# Altium PCB BGA_faser_v2.PcbDoc (part 1 of 5)
Units mil, origin at the board's own origin, x right, y up, seen from the top; angles counter-clockwise.
Board outline 2637.8 x 3937.01 mil, 6 copper layers (Top Layer, GND1, Layer 3, PWR, GND2, Bottom Layer), stack 32.112 mil thick; 367 components, 429 nets, 2041 pads, 1008 vias.
Unrouted connection lines stored in the file: 107.
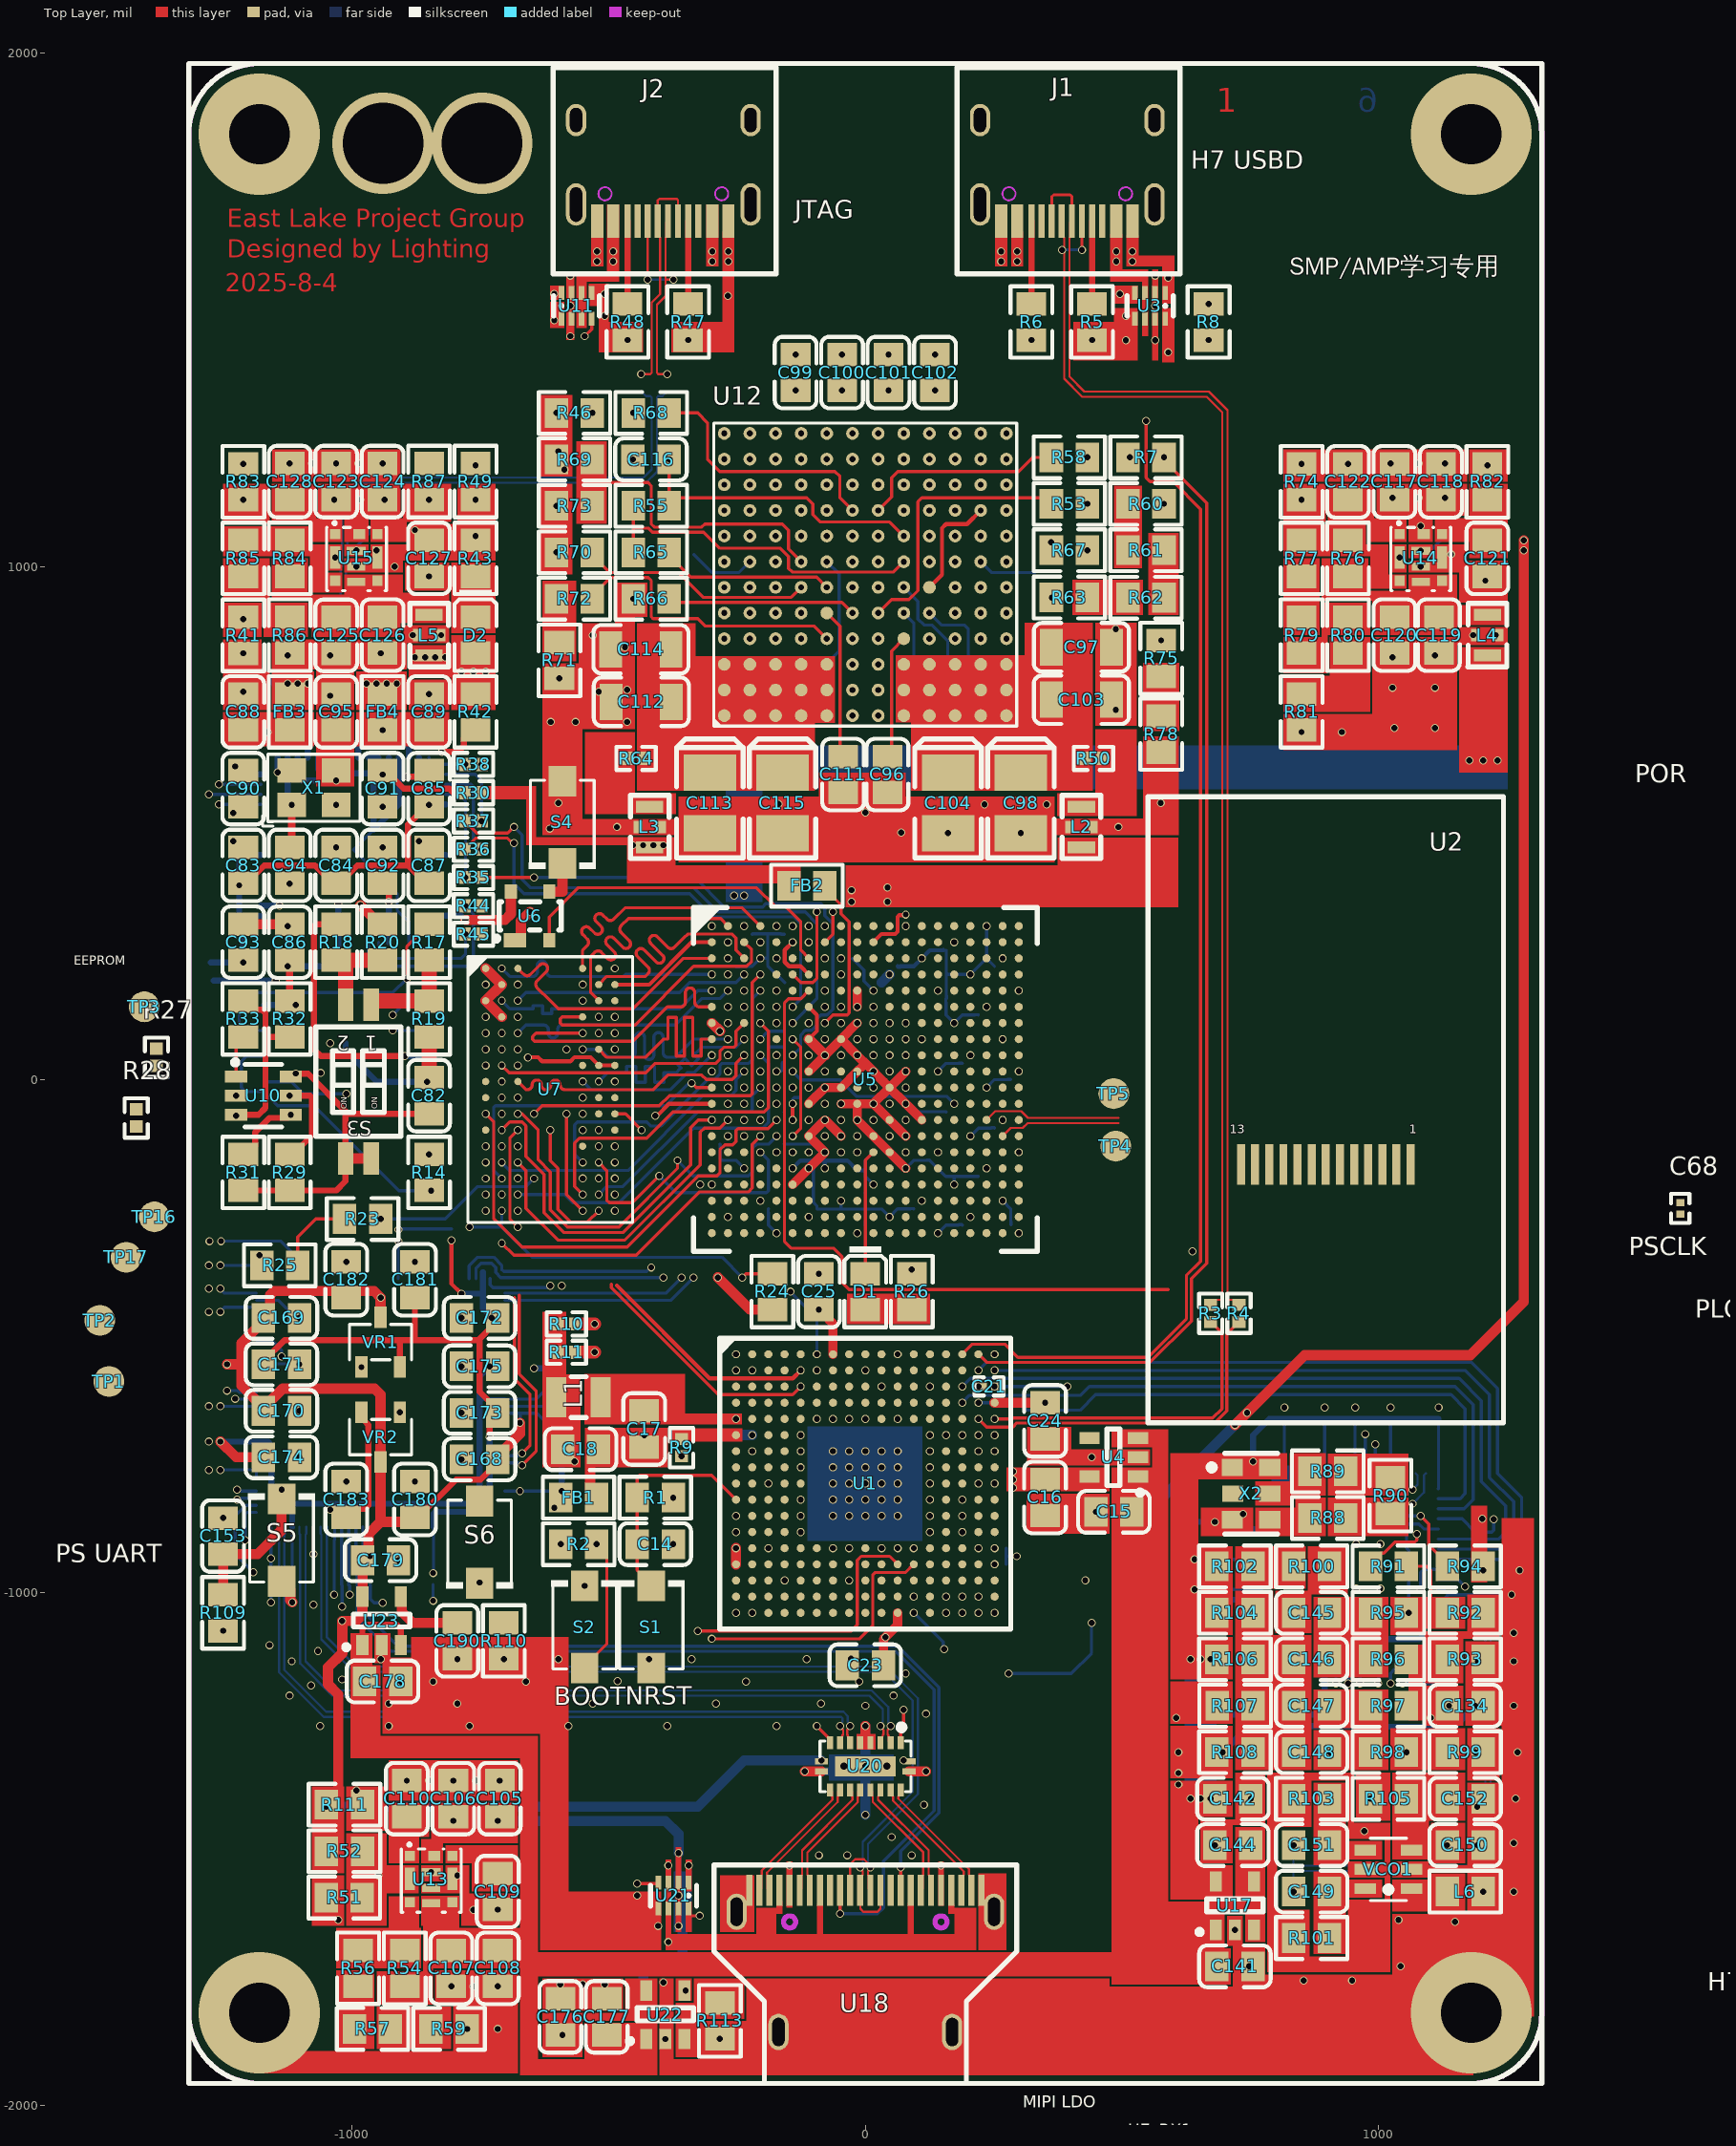
[diagram p0: Top Layer view]
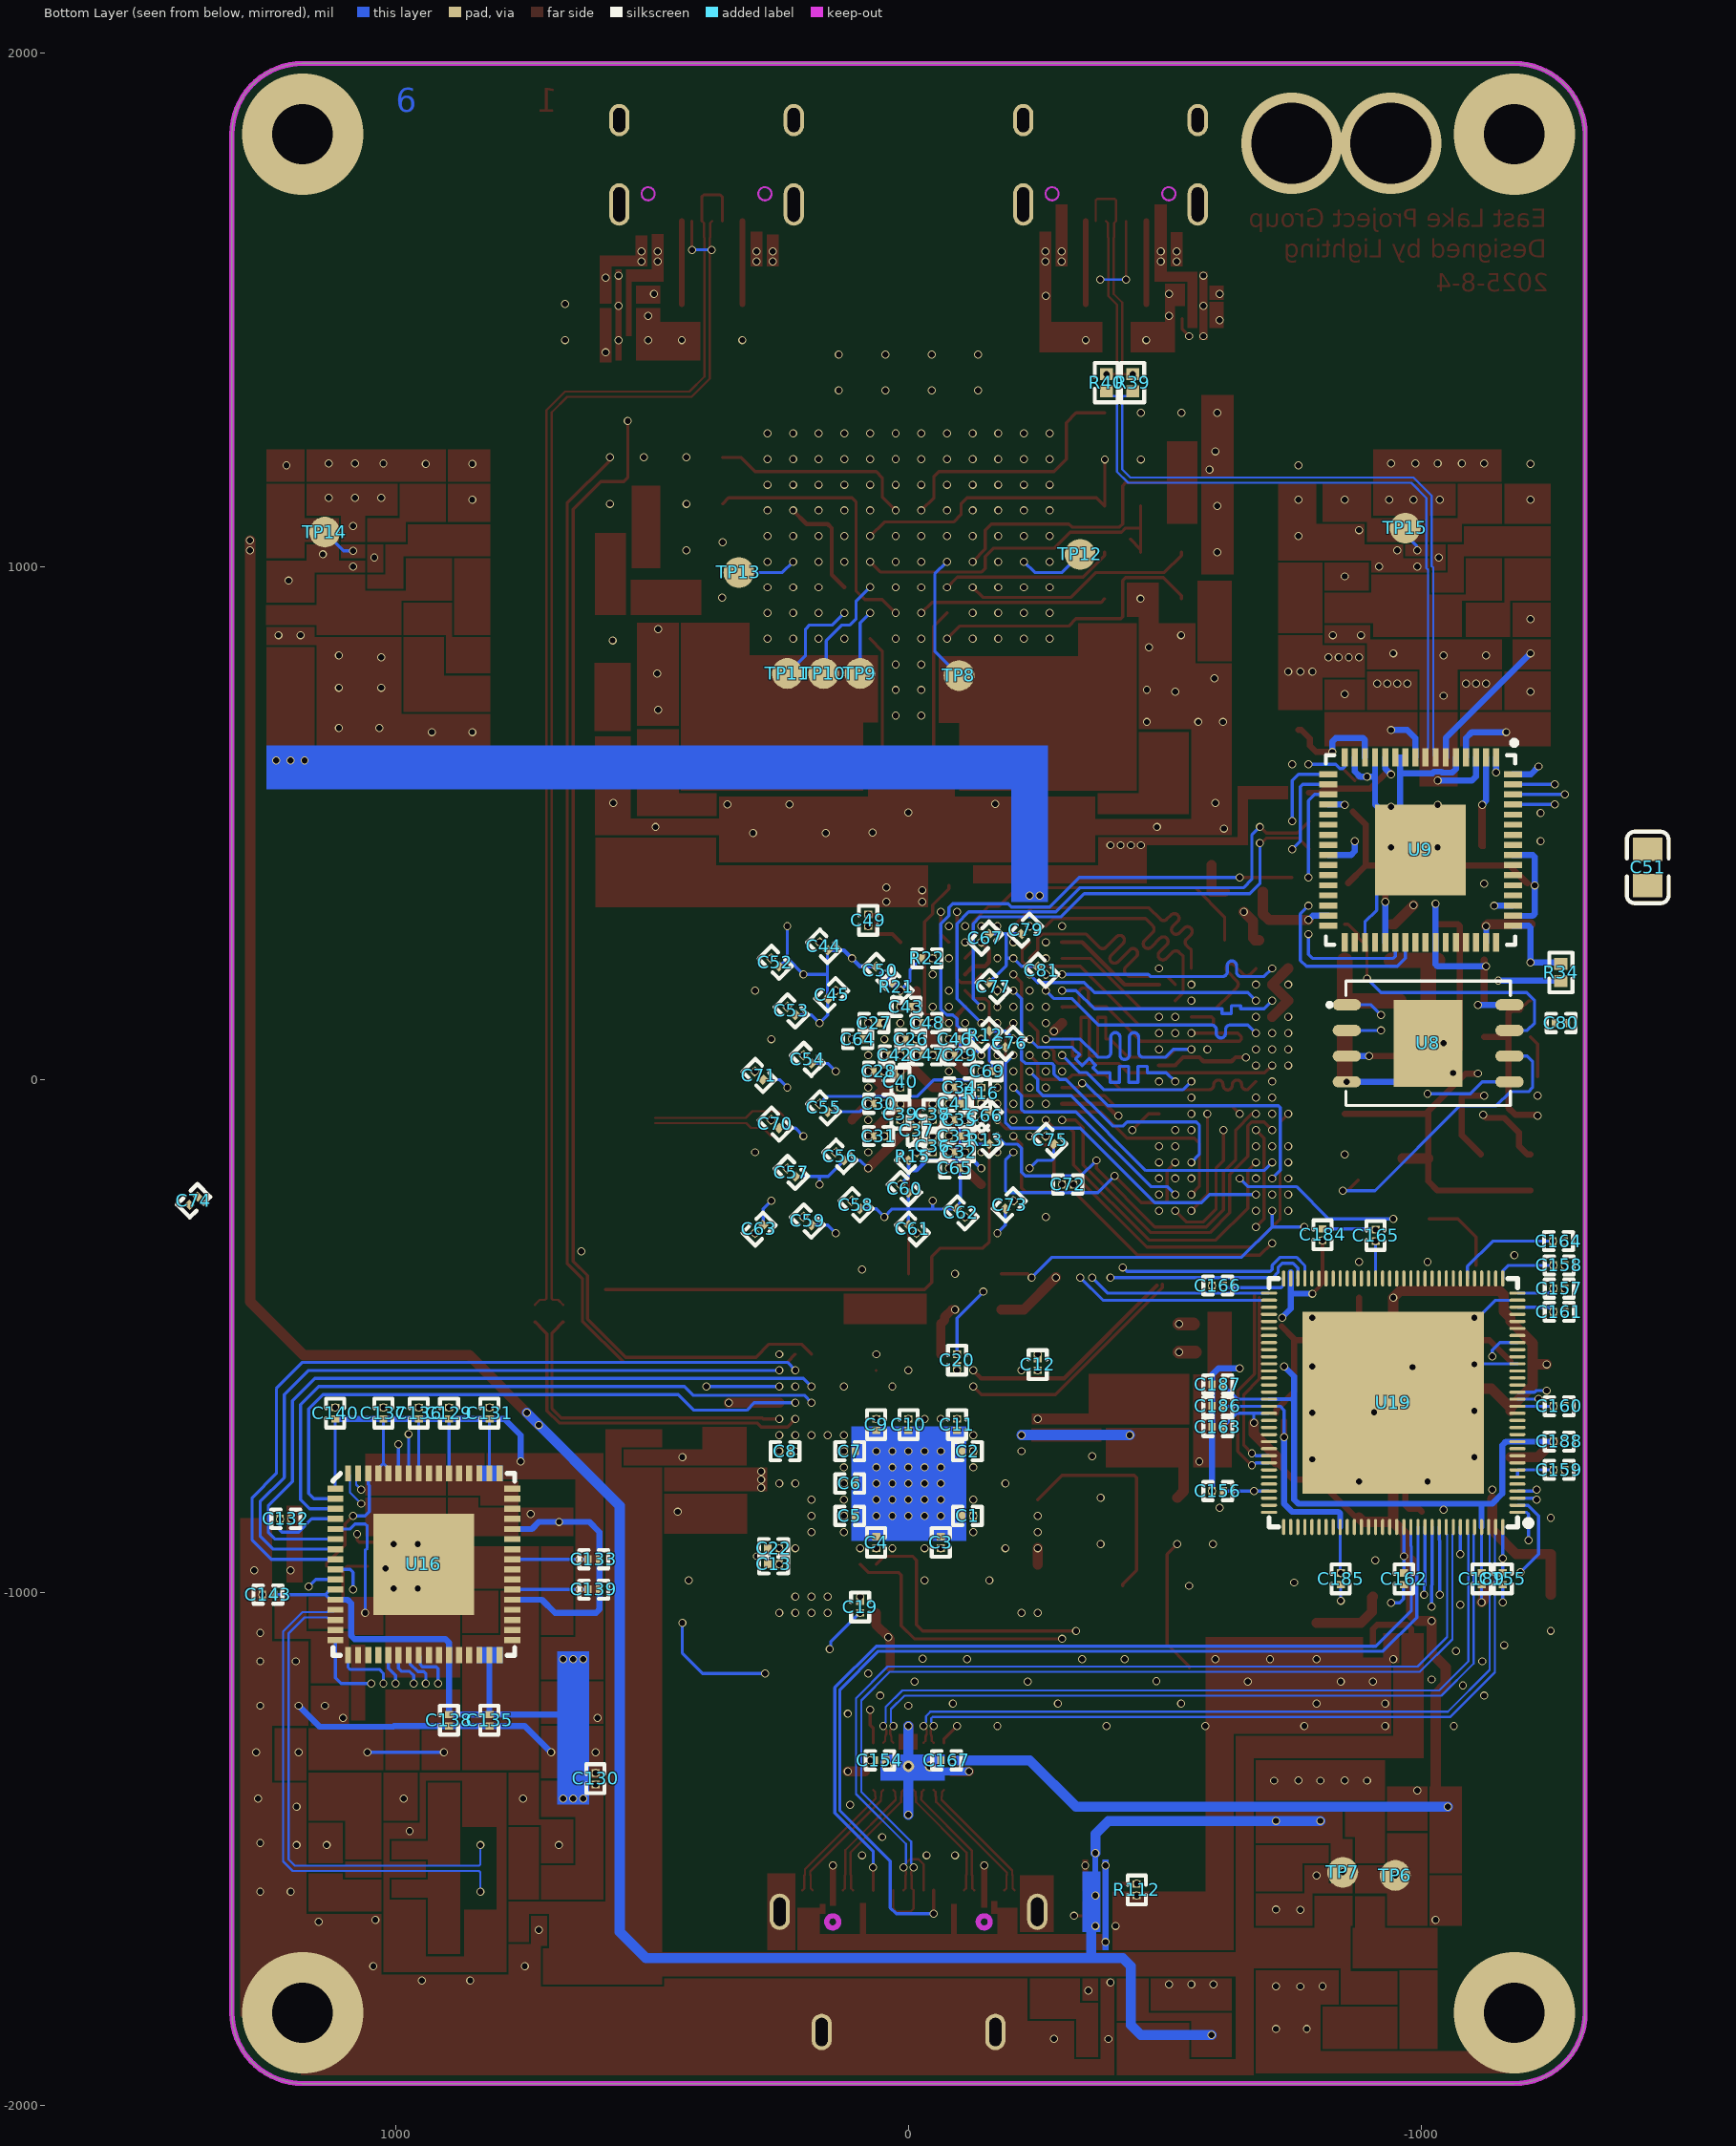
[diagram p1: Bottom Layer view, seen from below]
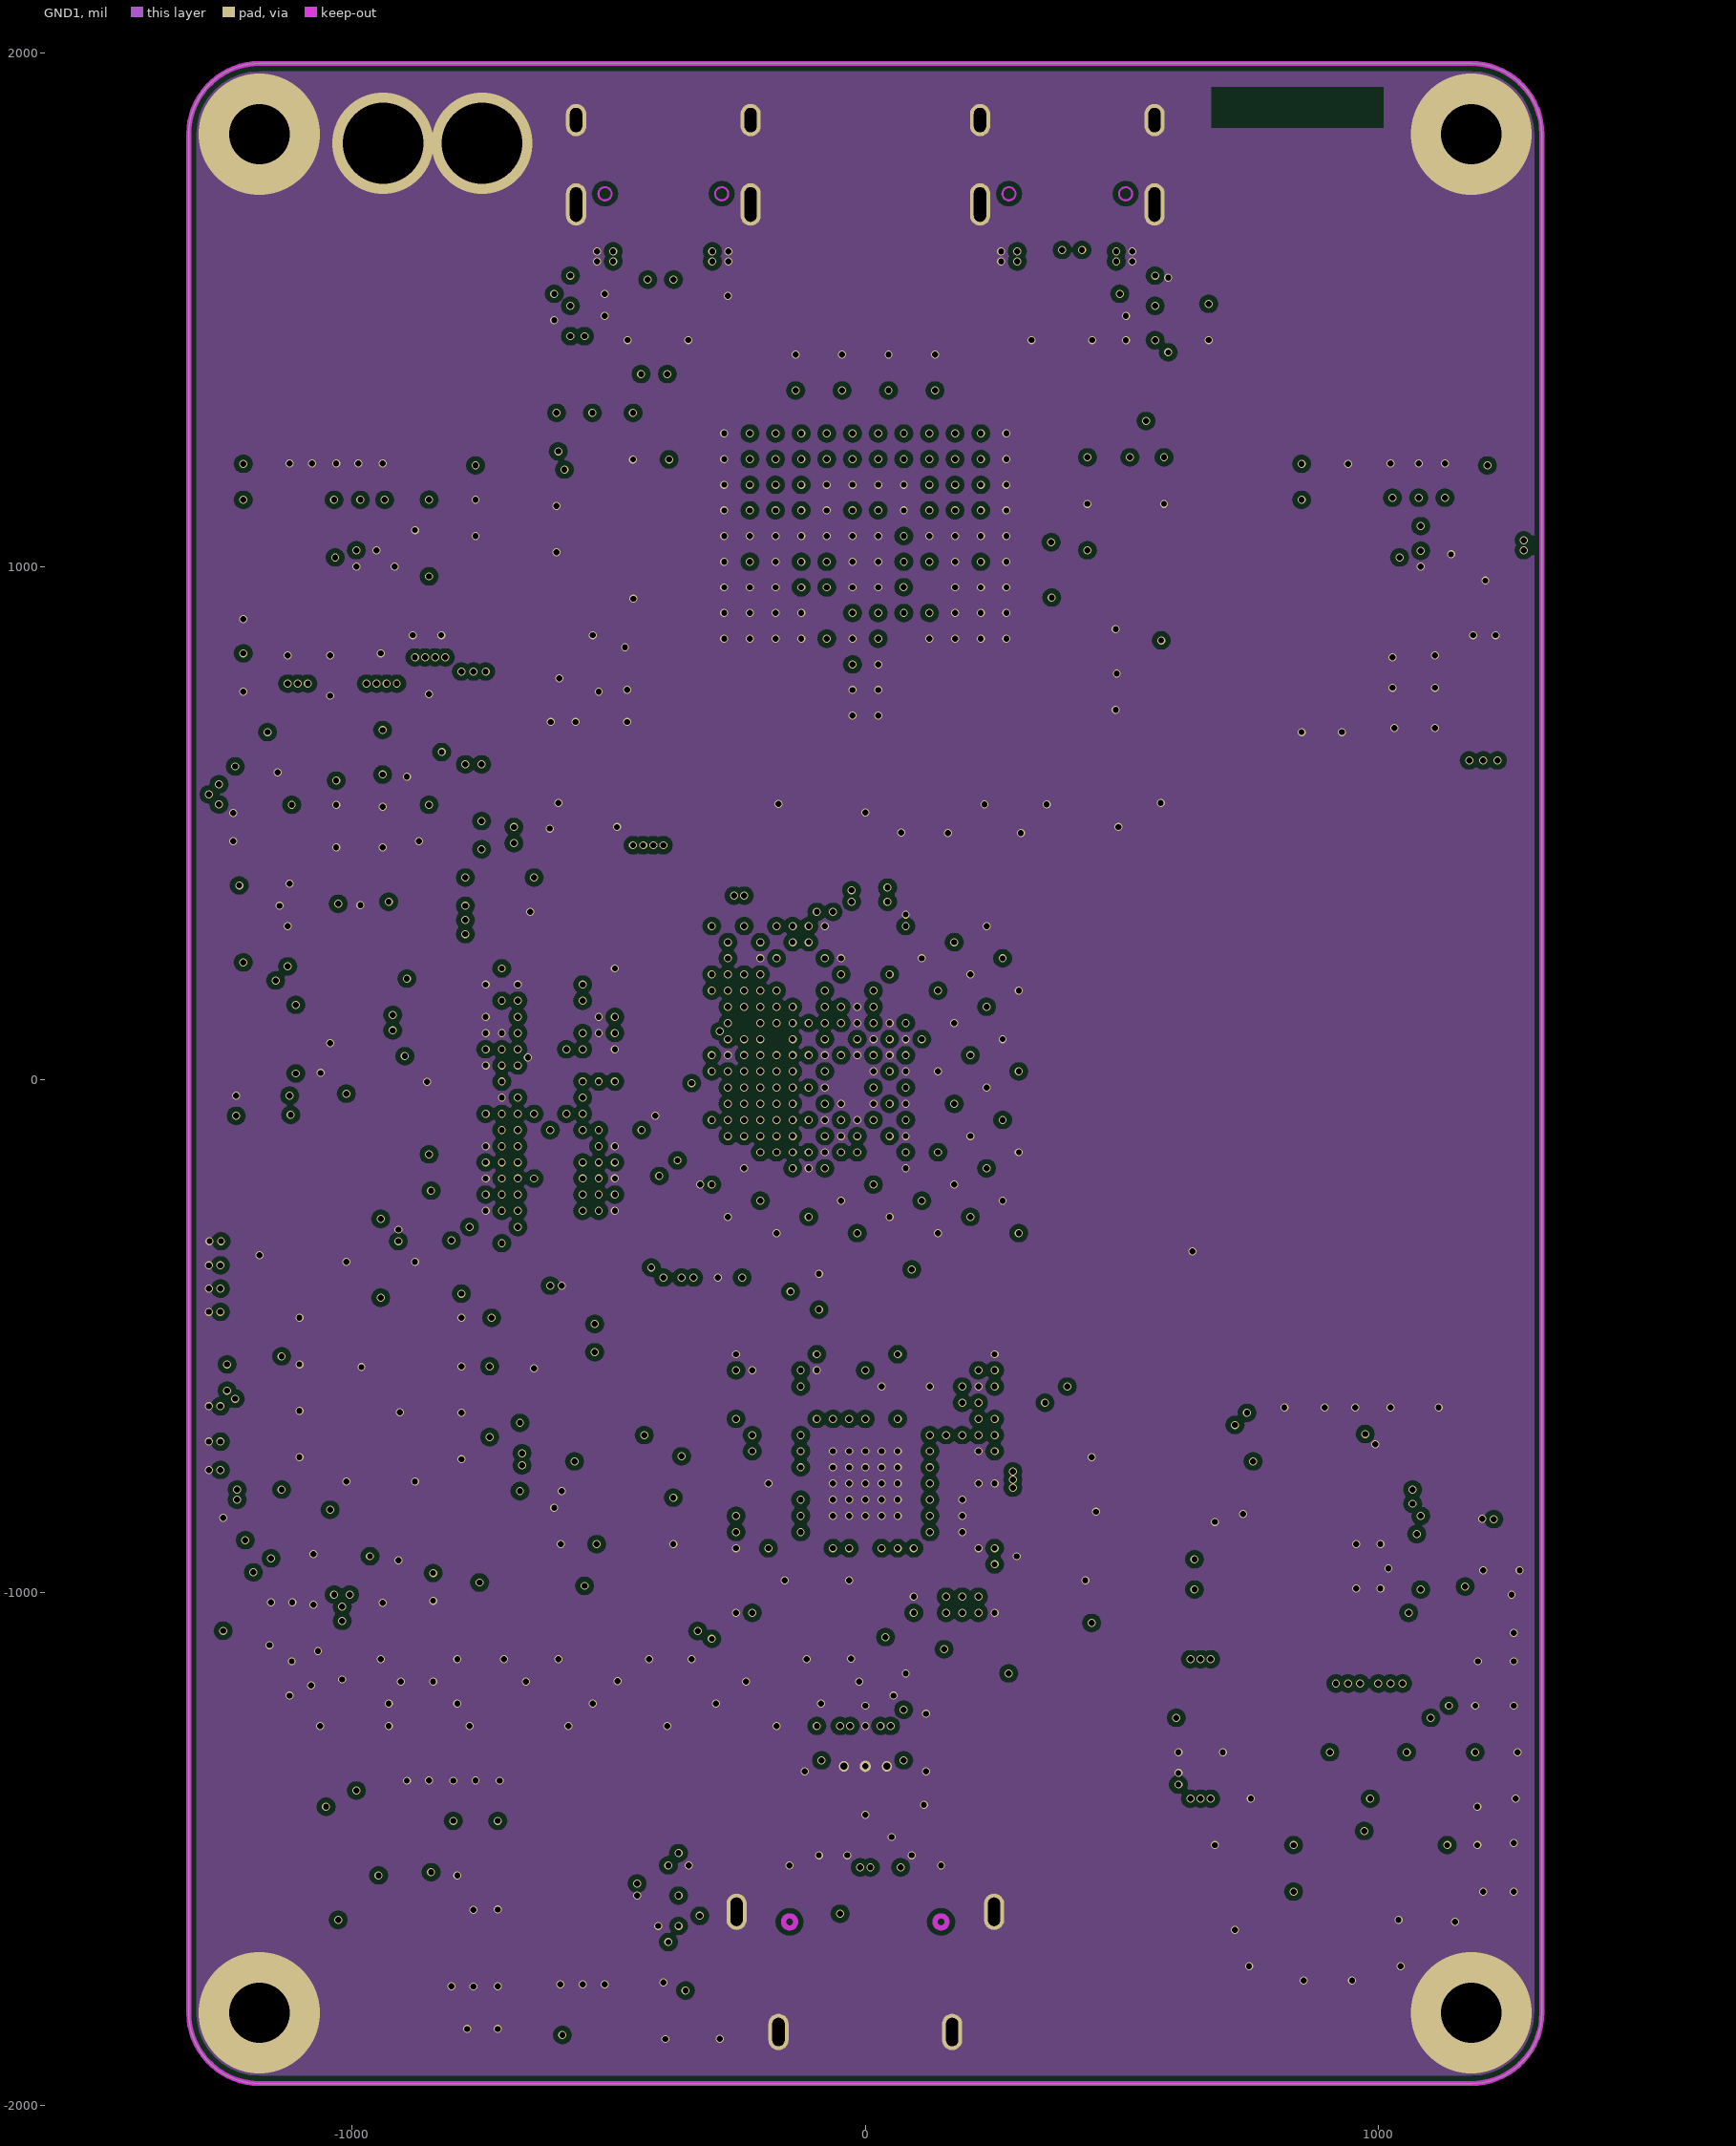
[diagram p2: GND1]
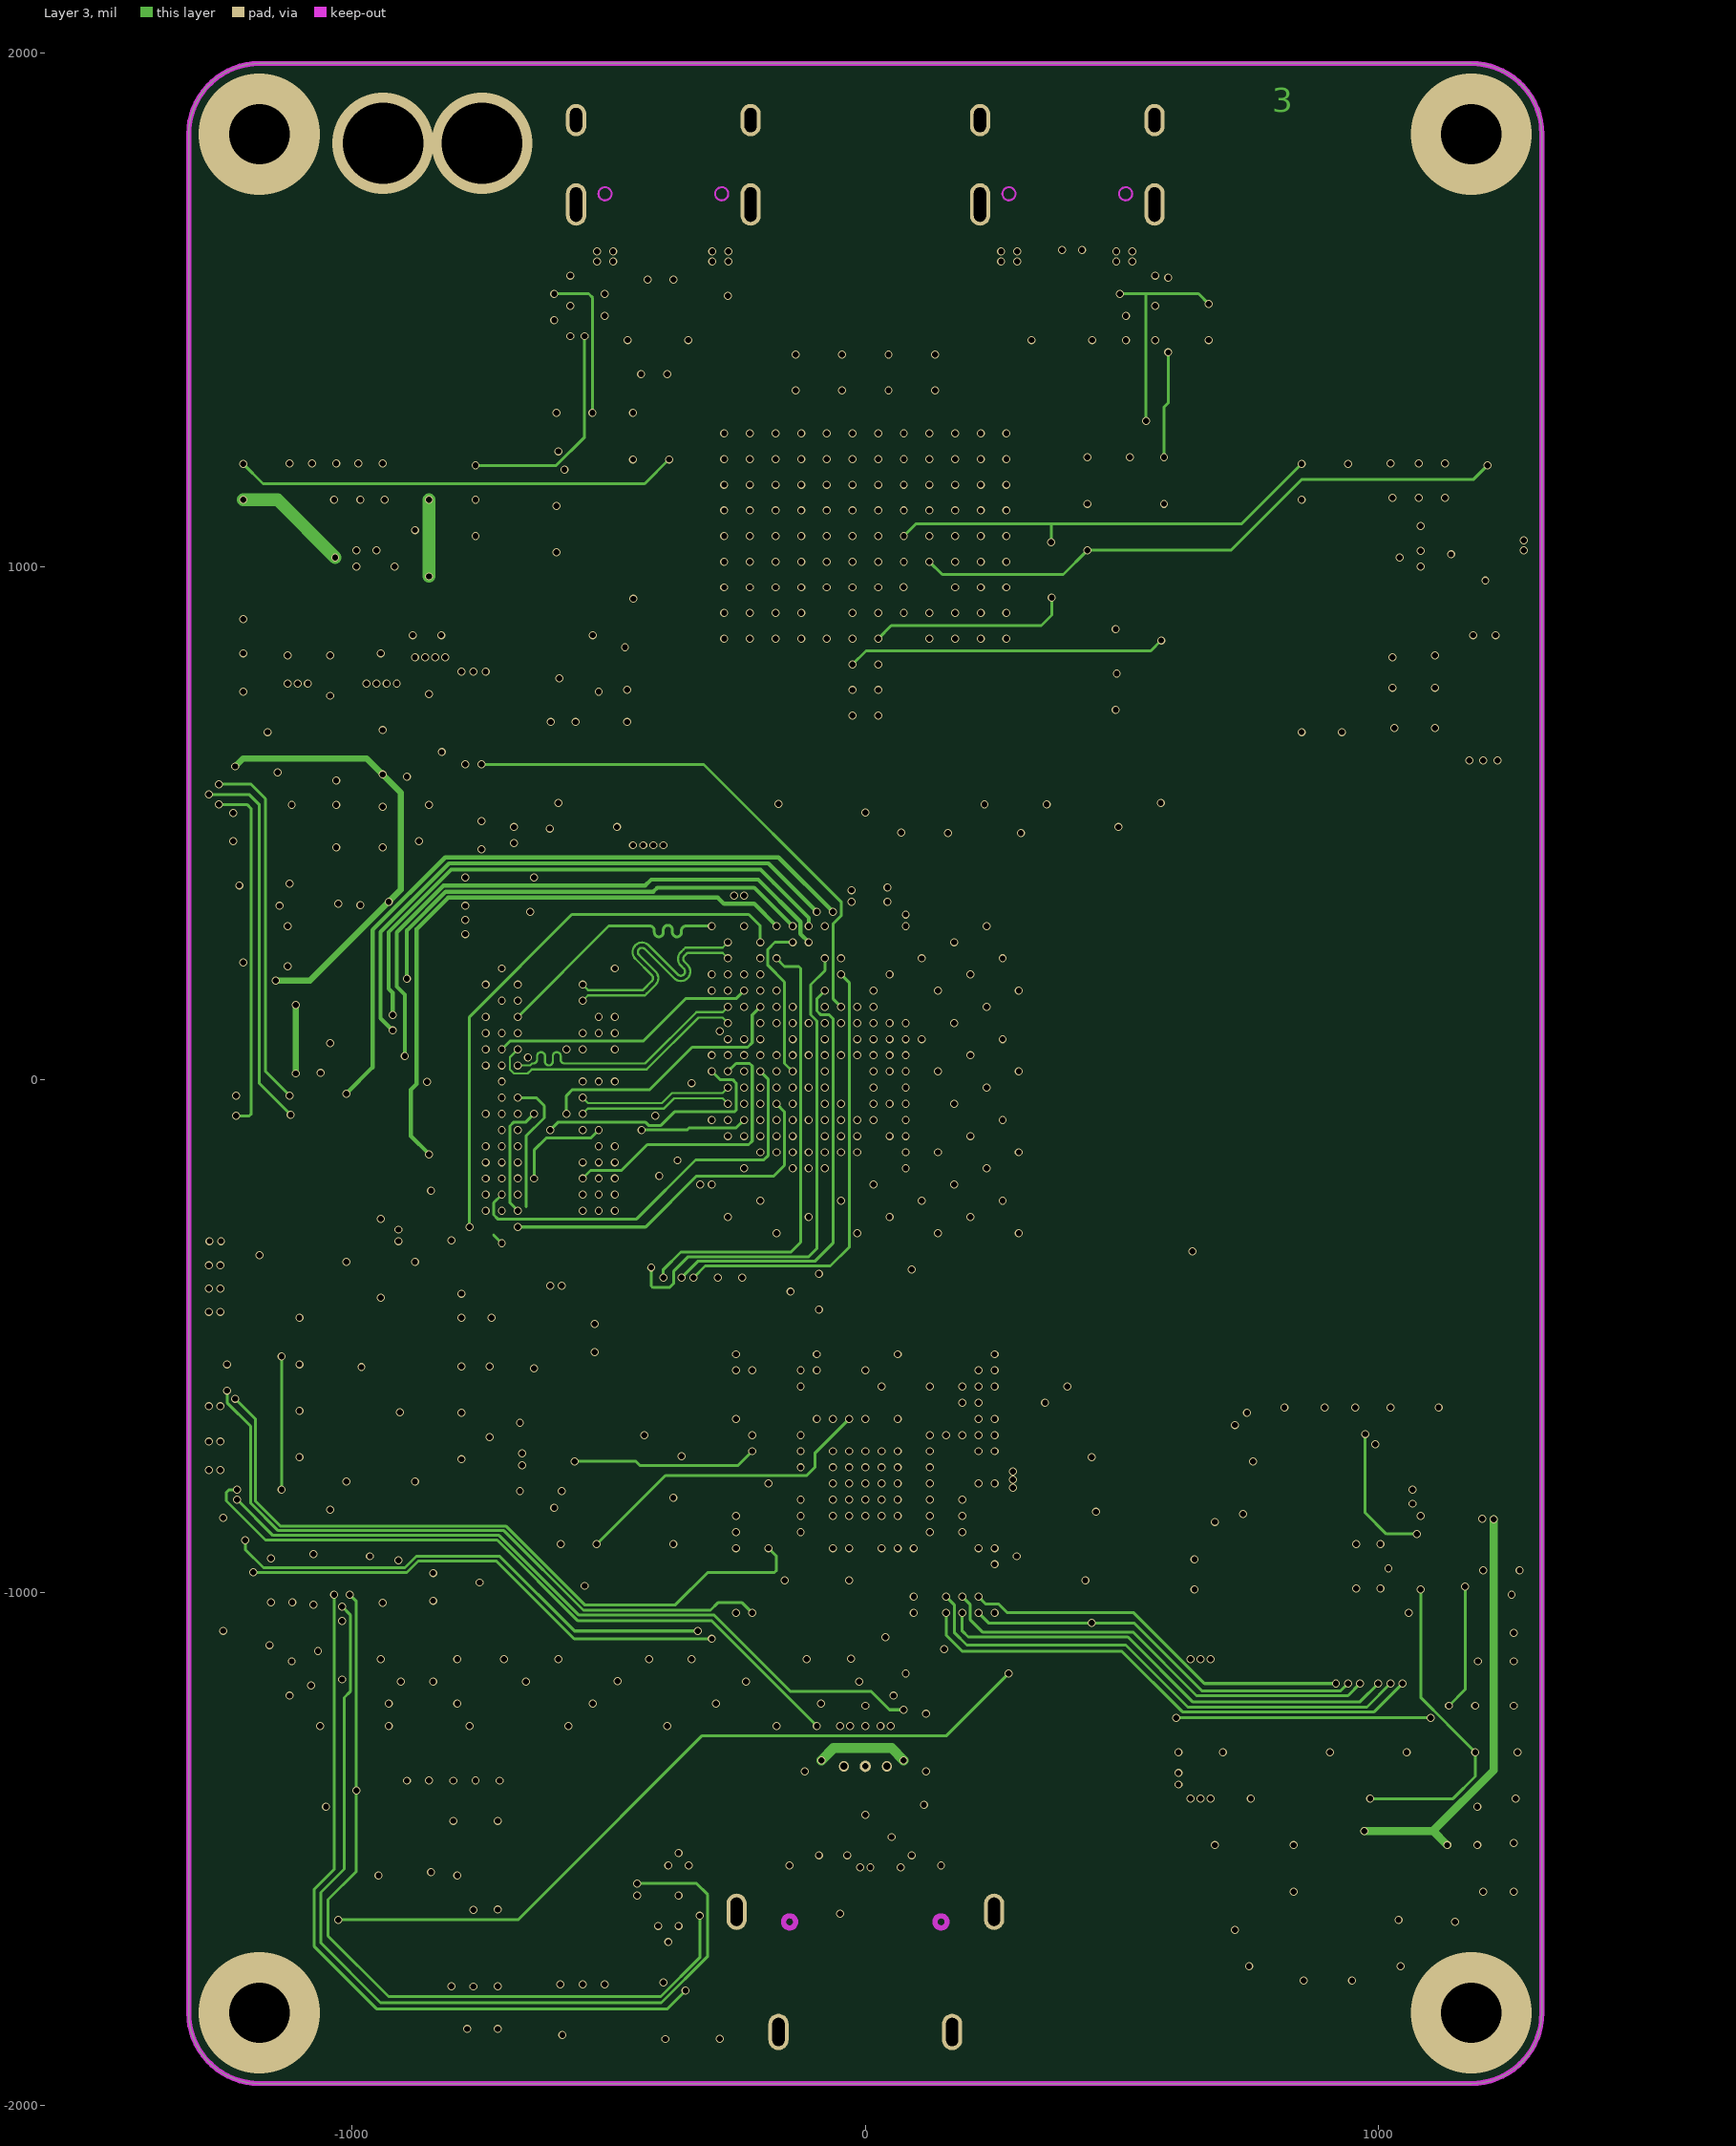
[diagram p3: Layer 3]